# Altium PCB pcb.PcbDoc
Units mm, origin at the board's own origin, x right, y up, seen from the top; angles counter-clockwise.
Board outline 190.25 x 80.25 mm, 2 copper layers (Top Layer, Bottom Layer); 30 components, 71 nets, 292 pads, 0 vias.
Unrouted connection lines stored in the file: 192.
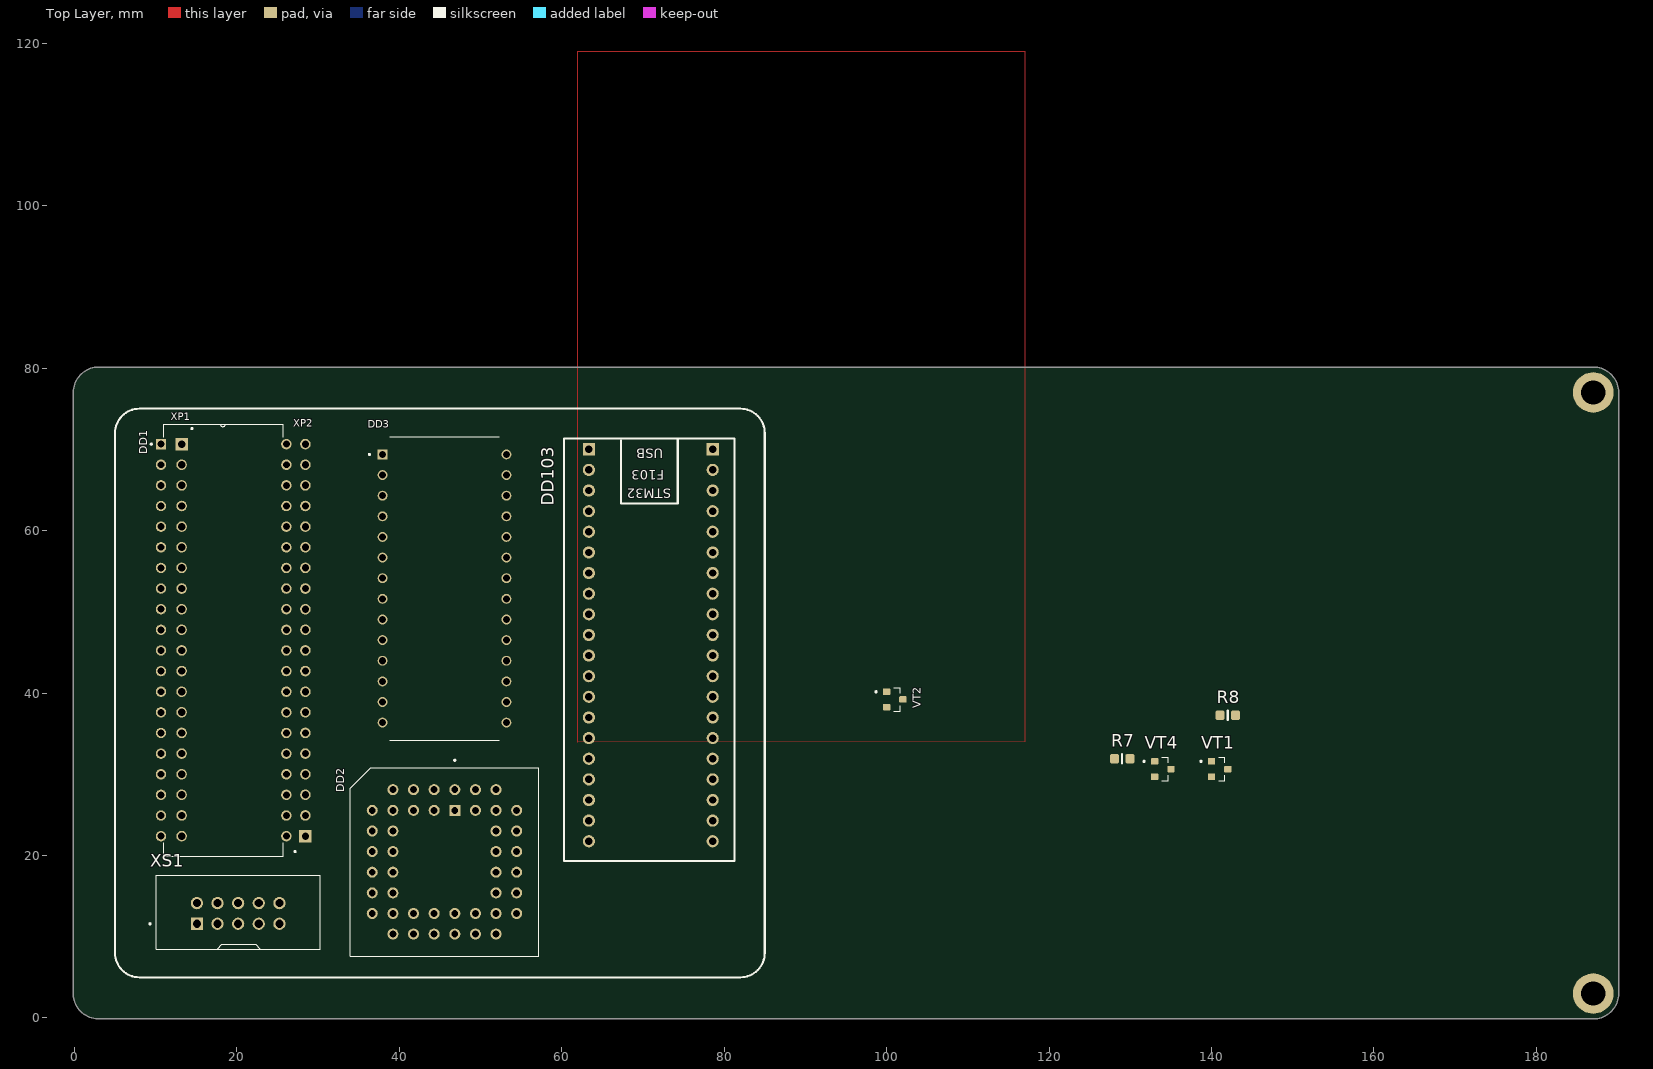
[diagram p0: Top Layer view]
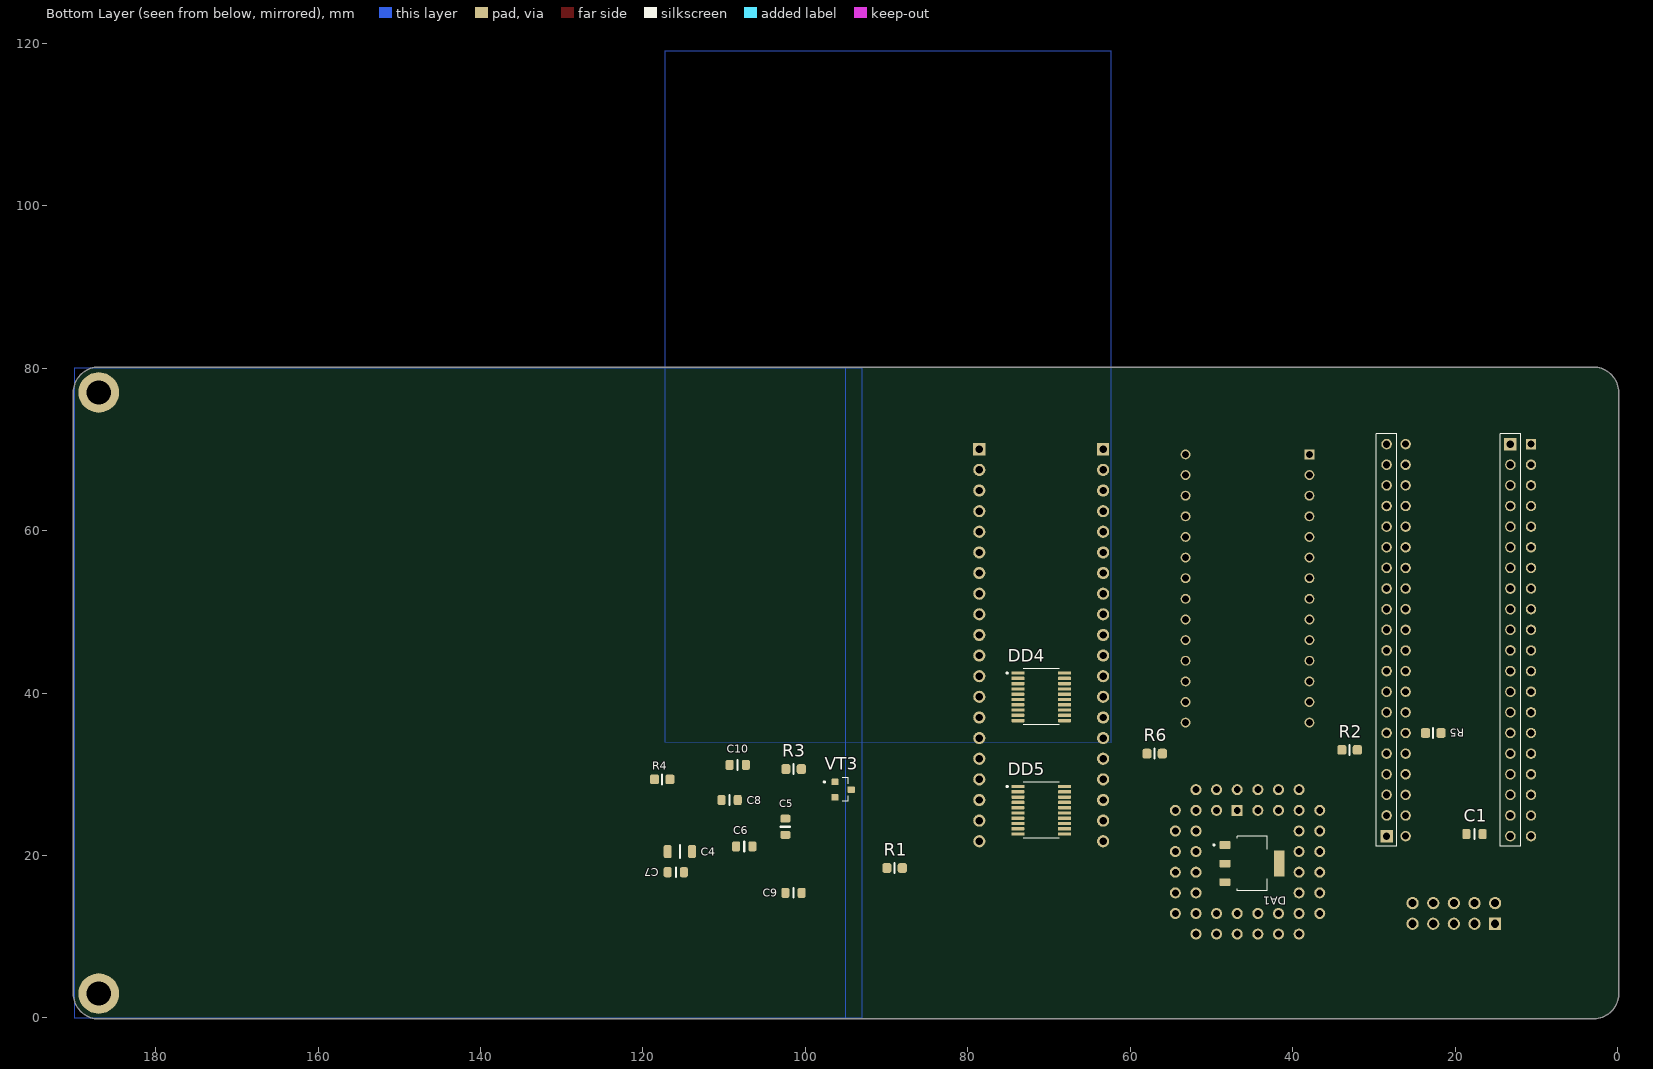
[diagram p1: Bottom Layer view, seen from below]

## Layer stack, top to bottom
Top Solder: solder mask 0.0102, Solder Resist, Dk 3.5
Top Layer: signal copper 0.0356
Dielectric 1: dielectric 0.32, FR-4, Dk 4.8
Bottom Layer: signal copper 0.0356
Bottom Solder: solder mask 0.0102, Solder Resist, Dk 3.5

## Board outline
-0.126,2.901 cw(c0,2.921) -0.127,2.921 -0.127,76.962 cw(c0,76.962) -0.126,76.981 cw(c0,77) -0.127,77 cw(c3,77) 3,80.127 cw(c3,80) 3.019,80.126 cw(c3.038,80) 3.038,80.127 187,80.127 cw(c187,77) 190.127,77 190.127,3 cw(c187,3) 187,-0.127 2.921,-0.127 cw(c2.921,0) 2.901,-0.126 cw(c3,3)

## Design rules (kind name [scope] priority, off if disabled: settings)
Clearance [All] p1: gap=0.254 ignorepadtopadclearanceinfootprint=FALSE except(0: Arc-Hole Track-Hole SMDPad-Hole THPad-Hole Via-Hole Fill-Hole Poly-Hole Region-Hole Text-Hole; 0.2: Arc-Arc Arc-Track Arc-SMDPad Track-Track Track-SMDPad SMDPad-SMDPad THPad-THPad)
PolygonConnect [All] p1: connectstyle=Relief reliefconductorwidth=0.254 reliefentries=4 polygonreliefangle="90 Angle" airgapwidth=0.254
RoomDefinition main [InComponentClass('main')] p1: confinementstyle=ConfineIn formatcopy=TRUE lockcomponents=FALSE outline 0,0 190.1,0 190.1,80.2 0,80.2
RoutingVias [All] p1: holewidth=0.2 width=0.4 viastyle="Through Hole" minholewidth=0.2 minwidth=0.4 maxholewidth=0.2 maxwidth=0.4
SolderMaskExpansion [All] p1: expansion=0.102
Width [All] p1: maxlimit=0.254 minlimit=0.2 preferedwidth=0.254 minimp=50.000000 maximp=50.000000 favimp=50.000000
30 further rules are at their usual default settings.

## Components (designator, comment, footprint, x,y, rotation, side; value= is the part's Value field where it differs from the comment)
C1 "3.3pF ... 30pF" C0805 17.628,22.633 r0 bottom
C4 "22uF" С1206 115.454,20.478 r180 bottom
C5 "10uF" C0805 102.468,23.534 r90 bottom
C6 "10uF" C0805 107.528,21.113 r0 bottom
C7 "10uF" C0805 115.954,17.938 r180 bottom
C8 "10uF" C0805 109.334,26.828 r180 bottom
C9 "10uF" C0805 101.468,15.398 r180 bottom
C10 "10uF" C0805 108.334,31.154 r180 bottom
DA1 "AMS1117-3.3" SOT229P700X180-4N 45,19 r180 bottom
DD1 "Z80" DIP1540W47P254L5320H635Q40B 18.385,46.508 r0 top
DD2 "EPM3032ALC44" PLCC-44-R 45.568,19.208 r0 top
DD3 "62256" DIP28 45.568,52.863 r0 top
DD4 "TXS0108EPWR" SOP65P640X120-20N 70.968,39.528 r180 bottom
DD5 "TXS0108EPWR" SOP65P640X120-20N 70.968,25.558 r180 bottom
DD103 "STM32F1_BluePill" PCB-STM32F103 70.588,44.608 r90 top value=BluePill
R1 "4.7K" R0805 89.014,18.454 r180 bottom
R2 "4.7K" R0805 33,33 r180 bottom
R3 "4.7K" R0805 101.448,30.638 r180 bottom
R4 "4.7K" R0805 117.628,29.368 r0 bottom
R5 "4.7K" R0805 22.708,35.078 r180 bottom
R6 "4.7K" R0805 57,32.538 r180 bottom
R7 "4.7K" R0805 129,31.908 r0 top
R8 "4.7K" R0805 142,37.253 r0 top
VT1 "BC847" BC847 141.005,30.638 r0 top
VT2 "BC847" BC847 101,39.203 r0 top
VT3 "BC847" BC847 95.363,28.098 r180 bottom
VT4 "BC847" BC847 134,30.638 r0 top
XP1 "20 pin bot connector" "20PIN HEADER" 13.208,49.053 r270 top
XP2 "20 pin bot connector" "20PIN HEADER" 28.448,43.973 r90 top
XS1 "BH-10" BH-10 20.168,12.858 r0 top

## Footprints (in the part's own frame and the unit in brackets; to place one, negate y for a bottom-side part, rotate by r counter-clockwise, add the part's x,y. Pads: shape width x height; smd on the part's side, far side on the other; paste and mask are expansions set on the pad)
"20PIN HEADER" [mm]
  rect 1.524x1.524 hole 0.9: 1(-21.59,0)
  round 1.3 hole 0.9: 2(-19.05,0) 3(-16.51,0) 4(-13.97,0) 5(-11.43,0) 6(-8.89,0) 7(-6.35,0) 8(-3.81,0) 9(-1.27,0) 10(1.27,0) 11(3.81,0) 12(6.35,0) 13(8.89,0) 14(11.43,0) 15(13.97,0) 16(16.51,0) 17(19.05,0) 18(21.59,0) 19(24.13,0) 20(26.67,0)
  silkscreen extent -23.59,1.17 -23.4,1.37, body extent -22.86,-1.27 27.94,1.27, height 0.98
BC847 [mm]
  rrect25% 0.9x0.8 smd: 1(-1,0.95) 2(-1,-0.95) 3(1,0)
  silkscreen extent -2.4,-1.45 0.65,1.45, body extent -1.33,-1.52 1.27,1.52, height 1.2
BH-10 [mm]
  rect 1.508x1.508 / inner round 1.508 / far side rect 1.508x1.508 hole 1: 1(-5.08,-1.27)
  round 1.508 hole 1: 2(-5.08,1.27) 3(-2.54,-1.27) 4(-2.54,1.27) 5(0,-1.27) 6(0,1.27) 7(2.54,-1.27) 8(2.54,1.27) 9(5.08,-1.27) 10(5.08,1.27)
  silkscreen extent -10.95,-4.4 10.1,4.7, body extent -10.1,-4.39 10.1,4.7, height 9.09
C0805 [mm] "Chip_Capasitor_0805"
  rrect50% 1x1.25 smd mask+0.102: 1(-1,0) 2(1,0)
  silkscreen extent 0,-0.6 0,0.6, body extent -1,-0.64 1,0.64, height 1.35
DIP28 [mm]
  rect 1.22x1.22 / inner round 1.22 / far side rect 1.22x1.22 hole 0.87: 1(-7.62,16.51)
  round 1.22 hole 0.87: 2(-7.62,13.97) 3(-7.62,11.43) 4(-7.62,8.89) 5(-7.62,6.35) 6(-7.62,3.81) 7(-7.62,1.27) 8(-7.62,-1.27) 9(-7.62,-3.81) 10(-7.62,-6.35) 11(-7.62,-8.89) 12(-7.62,-11.43) 13(-7.62,-13.97) 14(-7.62,-16.51) 15(7.62,-16.51) 16(7.62,-13.97) 17(7.62,-11.43) 18(7.62,-8.89) 19(7.62,-6.35) 20(7.62,-3.81) 21(7.62,-1.27) 22(7.62,1.27) 23(7.62,3.81) 24(7.62,6.35) 25(7.62,8.89) 26(7.62,11.43) 27(7.62,13.97) 28(7.62,16.51)
  silkscreen extent -9.33,-18.7 6.76,18.7, body extent -7.77,-18.7 7.77,18.7, height 6.35
DIP1540W47P254L5320H635Q40B [mm]
  rect 1.28x1.28 hole 0.85: 1(-7.717,24.13)
  round 1.28 hole 0.85: 2(-7.717,21.59) 3(-7.717,19.05) 4(-7.717,16.51) 5(-7.717,13.97) 6(-7.717,11.43) 7(-7.717,8.89) 8(-7.717,6.35) 9(-7.717,3.81) 10(-7.717,1.27) 11(-7.717,-1.27) 12(-7.717,-3.81) 13(-7.717,-6.35) 14(-7.717,-8.89) 15(-7.717,-11.43) 16(-7.717,-13.97) 17(-7.717,-16.51) 18(-7.717,-19.05) 19(-7.717,-21.59) 20(-7.717,-24.13) 21(7.717,-24.13) 22(7.717,-21.59) 23(7.717,-19.05) 24(7.717,-16.51) 25(7.717,-13.97) 26(7.717,-11.43) 27(7.717,-8.89) 28(7.717,-6.35) 29(7.717,-3.81) 30(7.717,-1.27) 31(7.717,1.27) 32(7.717,3.81) 33(7.717,6.35) 34(7.717,8.89) 35(7.717,11.43) 36(7.717,13.97) 37(7.717,16.51) 38(7.717,19.05) 39(7.717,21.59) 40(7.717,24.13)
  silkscreen extent -9.02,-26.6 7.35,26.6, body extent -8.85,-26.2 8.85,26.2, height 9.06
PCB-STM32F103 [mm] "Development board STM32F104"
  rect 1.5x1.5 hole 0.9: 1(25.4,7.24) 40(25.4,-8)
  round 1.5 hole 0.9: 2(22.86,7.24) 3(20.32,7.24) 4(17.78,7.24) 5(15.24,7.24) 6(12.7,7.24) 7(10.16,7.24) 8(7.62,7.24) 9(5.08,7.24) 10(2.54,7.24) 11(0,7.24) 12(-2.54,7.24) 13(-5.08,7.24) 14(-7.62,7.24) 15(-10.16,7.24) 16(-12.7,7.24) 17(-15.24,7.24) 18(-17.78,7.24) 19(-20.32,7.24) 20(-22.86,7.24) 21(-22.86,-8) 22(-20.32,-8) 23(-17.78,-8) 24(-15.24,-8) 25(-12.7,-8) 26(-10.16,-8) 27(-7.62,-8) 28(-5.08,-8) 29(-2.54,-8) 30(0,-8) 31(2.54,-8) 32(5.08,-8) 33(7.62,-8) 34(10.16,-8) 35(12.7,-8) 36(15.24,-8) 37(17.78,-8) 38(20.32,-8) 39(22.86,-8)
  silkscreen extent -25.3,-10.7 26.7,10.3, body extent -30.38,-11.65 28.26,10.85, height 16.13
PLCC-44-R [mm]
  rect 1.358x1.358 hole 0.85: 1(1.27,6.35)
  round 1.358 hole 0.85: 2(-1.27,8.89) 3(-1.27,6.35) 4(-3.81,8.89) 5(-3.81,6.35) 6(-6.35,8.89) 7(-8.89,6.35) 8(-6.35,6.35) 9(-8.89,3.81) 10(-6.35,3.81) 11(-8.89,1.27) 12(-6.35,1.27) 13(-8.89,-1.27) 14(-6.35,-1.27) 15(-8.89,-3.81) 16(-6.35,-3.81) 17(-8.89,-6.35) 18(-6.35,-8.89) 19(-6.35,-6.35) 20(-3.81,-8.89) 21(-3.81,-6.35) 22(-1.27,-8.89) 23(-1.27,-6.35) 24(1.27,-8.89) 25(1.27,-6.35) 26(3.81,-8.89) 27(3.81,-6.35) 28(6.35,-8.89) 29(8.89,-6.35) 30(6.35,-6.35) 31(8.89,-3.81) 32(6.35,-3.81) 33(8.89,-1.27) 34(6.35,-1.27) 35(8.89,1.27) 36(6.35,1.27) 37(8.89,3.81) 38(6.35,3.81) 39(8.89,6.35) 40(6.35,8.89) 41(6.35,6.35) 42(3.81,8.89) 43(3.81,6.35) 44(1.27,8.89)
  silkscreen extent -11.59,-11.59 11.59,12.6, body extent -11.74,-11.74 11.74,11.74, height 8.31
R0805 [mm] "Chip_Resistor_0805"
  rrect50% 1.14x1.2 smd mask+0.1: 1(-0.95,0) 2(0.95,0)
  silkscreen extent 0,-0.6 0,0.6, body extent -1.07,-0.67 1.23,0.68, height 0.76
SOP65P640X120-20N [mm]
  rrect25% 1.57x0.41 smd: 1(-2.87,2.925) 2(-2.87,2.275) 3(-2.87,1.625) 4(-2.87,0.975) 5(-2.87,0.325) 6(-2.87,-0.325) 7(-2.87,-0.975) 8(-2.87,-1.625) 9(-2.87,-2.275) 10(-2.87,-2.925) 11(2.87,-2.925) 12(2.87,-2.275) 13(2.87,-1.625) 14(2.87,-0.975) 15(2.87,-0.325) 16(2.87,0.325) 17(2.87,0.975) 18(2.87,1.625) 19(2.87,2.275) 20(2.87,2.925)
  silkscreen extent -4.29,-3.45 2.2,3.45, body extent -3.2,-3.25 3.2,3.25, height 1.2
SOT229P700X180-4N [mm]
  rrect15% 1.31x0.93 smd: 1(-3.345,2.29) 2(-3.345,0) 3(-3.345,-2.29)
  rrect15% 1.31x3.24 smd: 4(3.345,0)
  silkscreen extent -4.8,-3.36 1.86,3.36, body extent -3.5,-3.25 3.5,3.25, height 1.8
С1206 [mm] "Chip_Capasitor_1206"
  rrect50% 1x1.6 smd mask+0.102: 1(-1.5,0) 2(1.5,0)
  silkscreen extent 0,-0.8 0,0.8, body extent -1.6,-0.81 1.6,0.81, height 1.11

## Part data
C1 C4 C5 C6 C7 C8 C9 C10: library part CapCer
DD2: "44-Pin PLCC44"
DD3: Package=None, Check_prices=https://www.snapeda.com/parts/62256/Brady/view-part/?ref=eda, MF=BRADY, MP=62256, SnapEDA_Link=https://www.snapeda.com/parts/62256/Brady/view-part/?ref=snap
DD4 DD5: "8-bit bidirectional voltage-level shifter for open-drain and push-pull application", Package="TSSOP-20 Texas Instruments", Availability="In Stock", Check_prices=https://www.snapeda.com/parts/TXS0108EPWR/Texas+Instruments/view-part/?ref=eda, MF="Texas Instruments", MP=TXS0108EPWR, Price=None, Purchase-URL=https://pricing.snapeda.com/search/part/TXS0108EPWR/?ref=eda, SnapEDA_Link=https://www.snapeda.com/parts/TXS0108EPWR/Texas+Instruments/view-part/?ref=snap
DD103: "STM32F103C8T6", Ед. изм.=шт, Марка и технические характеристики=BluePill, Наименование материалов или оборудования=BluePill
R1 R2 R3 R4 R5 R6 R7 R8: library part Res
VT1 VT2 VT3 VT4: "NPN Transistor"
XP1 XP2: "20 Pin 2.54 mm"
XS1: "10 Position Total Dual Row 2.54 mm Pitch Straight Male Shrouded Box Header", Package=None, Check_prices=https://www.snapeda.com/parts/SBH11-PBPC-D05-ST-BK/Sullins+Connector+Solutions/view-part/?ref=eda, MF="Sullins Connector", MP=SBH11-PBPC-D05-ST-BK, SnapEDA_Link=https://www.snapeda.com/parts/SBH11-PBPC-D05-ST-BK/Sullins+Connector+Solutions/view-part/?ref=snap

## Free pads (board coordinates)
  round 5 hole 3: 3(187,3) 3(187,77)

## Nets (pads, with @x,y where several pads share a name; then routed paths per layer and width w, separated by ;. In a path a pad name is that pad's centre, name@x,y a point inside that pad or via, vN(x,y) a via of type N, cw(c..) or ccw(c..) an arc to the next point about the centre after c; other vN are vias at no path point)
+3.3V: C8.1 C9.1 C10.1 DA1.2 DD2.3 DD2.15 DD2.23 DD2.35 DD4.2 DD5.2 DD103.20 DD103.38 R3.2 XS1.4
+5V: C4.1 C5.1 C6.1 C7.1 DA1.3 DD1.11 DD3.28 DD4.19 DD5.19 DD103.18 R1.2 R5.2 R6.2 R8.2 VT1.3 XP1.11
A0: DD1.30 DD2.24 DD3.10 DD5.20 XP2.10
A0_3v: DD5.1 DD103.33
A1: DD1.31 DD2.25 DD3.9 DD5.18 XP2.11
A1_3v: DD5.3 DD103.34
A2: DD1.32 DD2.26 DD3.8 XP2.12
A3: DD1.33 DD2.27 DD3.7 DD103.11 XP2.13
A4: DD1.34 DD2.28 DD3.6 DD103.12 XP2.14
A5: DD1.35 DD2.29 DD3.5 DD5.17 DD103.13 XP2.15
A5_3v: DD5.4
A6: DD1.36 DD2.31 DD3.4 DD103.14 XP2.16
A7: DD1.37 DD2.33 DD3.3 DD103.15 XP2.17
A8: DD1.38 DD3.25 DD103.16 XP2.18
A9: DD1.39 DD3.24 DD103.17 XP2.19
A10: DD1.40 DD3.21 DD103.35 XP2.20
A11: DD1.1 DD3.23 DD103.36 XP1.1
A12: DD1.2 DD3.2 DD103.1 XP1.2
A13: DD1.3 DD3.26 DD103.2 XP1.3
A14: DD1.4 DD2.21 DD103.3 XP1.4
A15: DD1.5 DD2.2 DD103.4 XP1.5
BSRQ: DD1.25 DD2.12 DD103.5 R2.1 XP2.5
BUSA: DD1.23 XP2.3
CLK: DD1.6 XP1.6
D0: DD1.14 DD2.20 DD3.11 DD4.12 XP1.14
D0_3v: DD4.9 DD103.25
D1: DD1.15 DD2.19 DD3.12 DD4.13 XP1.15
D1_3v: DD4.8 DD103.26
D2: DD1.12 DD2.16 DD3.13 DD4.14 XP1.12
D2_3v: DD4.7 DD103.27
D3: DD1.8 DD2.14 DD3.15 DD4.15 XP1.8
D3_3v: DD4.6 DD103.28
D4: DD1.7 DD2.34 DD3.16 DD4.16 XP1.7
D4_3v: DD4.5 DD103.29
D5: DD1.9 DD2.37 DD3.17 DD4.17 XP1.9
D5_3v: DD4.4 DD103.30
D6: DD1.10 DD2.39 DD3.18 DD4.18 XP1.10
D6_3v: DD4.3 DD103.31
D7: DD1.13 DD2.41 DD3.19 DD4.20 XP1.13
D7_3v: DD4.1 DD103.32
GND: C1.2 C4.2 C5.2 C6.2 C7.2 C8.2 C9.2 C10.2 DA1.1 DD1.29 DD2.10 DD2.22 DD2.30 DD2.42 DD3.14 DD4.11 DD5.11 DD103.19 DD103.39 DD103.40 VT2.2 VT3.2 VT4.2 XP2.9 XS1.2 XS1.10
HLT: DD1.18 XP1.18
INT: DD1.16 XP1.16
IORQ: C1.1 DD1.20 DD2.44 DD5.15 R1.1 XP1.20
IORQ_3v: DD5.6 DD103.23
JUMP: DD2.43 R6.1
LSOE: DD4.10 DD5.10 R3.1 VT3.3
M1: DD1.27 DD5.16 XP2.7
M1_3v: DD5.5 DD103.24
MA14: DD2.40 DD3.1
MCE: DD2.11 DD3.20
MOE: DD2.8 DD3.22
MREQ: DD1.19 DD2.6 DD103.10 XP1.19
MWE: DD2.9 DD3.27
NetR2_2: R2.2 VT3.1
NetR4_2: R4.2 VT2.1
NetR7_2: R7.2 VT4.1
NetR8_1: R8.1 VT1.1 VT4.3
NMI: DD1.17 XP1.17
RD: DD1.21 DD2.5 DD103.7 XP2.1
RDR: VT1.2
RES: DD1.26 DD2.1 R5.1 VT2.3 XP2.6
RFSH: DD1.28 XP2.8
ROMBLK: DD2.18 R7.1
TCK: DD2.32 XS1.1
TDI: DD2.7 XS1.9
TDO: DD2.38 XS1.3
TMS: DD2.13 XS1.5
WAIT: DD1.24 XP2.4
WR: DD1.22 DD2.4 DD103.6 XP2.2
ZRST: DD103.22 R4.1
pads on no net: DA1.4 DD2.17 DD2.36 DD5.7 DD5.8 DD5.9 DD5.12 DD5.13 DD5.14 DD103.8 DD103.9 DD103.21 DD103.37 XS1.6 XS1.7 XS1.8

## Polygon pours and split planes (outlines as drawn)
GND on Top Layer "Top Layer-GND" (solid, shelved, pour order 0): 62,119 117,119 117,34 62,33.94
no net on Bottom Layer "Bottom Layer-No Net 1" (solid, shelved, pour order 6): 93,80 190,80 190,0 93,0
GND on Bottom Layer "Bottom Layer-No Net" (solid, shelved, pour order 4): 95,80 190,80 190,0 95,0
GND on Bottom Layer "Bottom Layer-GND" (solid, shelved, pour order 2): 62.322,119 117.322,119 117.322,34 62.322,33.94

## Silkscreen, mask and mechanical layers (free items; w line width, h text height)
Top Overlay:
  lines w0.254: 5,8 ccw(c8,8) 8,5 82,5 ccw(c82,8) 85,8 85,72 ccw(c82,72) 82,75 8,75 ccw(c8,72) 5,72 5,8

## Dimensions
82,5 to 82,75 on Top Overlay
5,72 to 85,72 on Top Overlay

## Text inside footprints (layer, text, board x,y; h text height)
DD103: Top Overlay "F103" at 72.62,67.849 h2 r180; Top Overlay "STM32" at 73.509,65.563 h2 r180; Top Overlay "USB" at 72.493,70.516 h2 r180